# KiCad board untitled.kicad_pcb (continued)
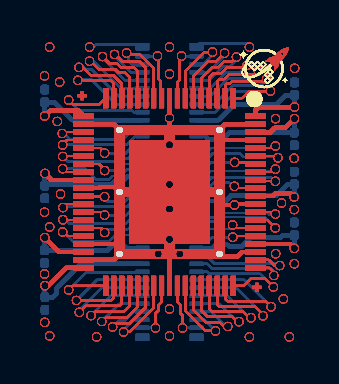
[diagram p0: board, top side]
## Routing (per net, layer and track width the routed paths; a pad name or vN(x,y) marks a point on that pad's centre or on a via; arc(x,y) is an arc through that point) (continued)
  vias: v1(11.56,6.12) v1(11.56,6.12) v1(11.56,6.12) v1(11.56,6.12) v1(11.56,6.12) v1(11.56,6.12) v1(11.56,6.12) v1(11.56,6.12) v1(11.56,6.12) v1(11.56,6.12) v1(11.56,6.12) v1(11.56,6.12) v1(11.56,6.12) v1(11.56,6.12) v1(11.56,6.12) v1(11.56,6.12) v1(11.56,6.12) v1(11.56,6.12) v1(11.56,6.12) v1(11.56,6.12) v1(11.56,6.12) v1(11.56,6.12) v1(11.56,6.12) v1(11.56,6.12) v1(11.56,6.12) v1(11.56,6.12) v1(11.56,6.12) v1(11.56,6.12) v1(11.56,6.12) v1(11.56,6.12) v1(11.56,6.12) v1(11.56,6.12) v1(11.56,6.12) v1(11.56,6.12) v1(11.56,6.12) v1(11.56,6.12) v1(11.56,6.12) v1(11.56,6.12) v1(11.56,6.12) v1(11.56,6.12) v1(11.56,6.12) v1(11.56,6.12)
/PIN 55: length 225
  Top w0.1: 11.67,6.73 11.5,6.73 ; 11.67,6.73 11.5,6.73 ; 11.67,6.73 11.5,6.73 ; 11.67,6.73 11.5,6.73 ; 11.67,6.73 11.5,6.73 ; 11.67,6.73 11.5,6.73 ; 11.67,6.73 11.5,6.73 ; 11.67,6.73 11.5,6.73 ; 11.67,6.73 11.5,6.73 ; 11.67,6.73 11.5,6.73 ; 11.67,6.73 11.5,6.73 ; 11.67,6.73 11.5,6.73 ; 11.67,6.73 11.5,6.73 ; 11.67,6.73 11.5,6.73 ; 11.67,6.73 11.5,6.73 ; 11.67,6.73 11.5,6.73 ; 11.67,6.73 11.5,6.73 ; 11.67,6.73 11.5,6.73 ; 11.67,6.73 11.5,6.73 ; 11.67,6.73 11.5,6.73 ; 11.67,6.73 11.5,6.73 ; 11.67,6.73 11.5,6.73 ; 11.67,6.73 11.5,6.73 ; 11.67,6.73 11.5,6.73 ; 11.67,6.73 11.5,6.73 ; 11.67,6.73 11.5,6.73 ; 11.67,6.73 11.5,6.73 ; 11.67,6.73 11.5,6.73 ; 11.67,6.73 11.5,6.73 ; 11.67,6.73 11.5,6.73 ; 11.67,6.73 11.5,6.73 ; 11.67,6.73 11.5,6.73 ; 11.67,6.73 11.5,6.73 ; 11.67,6.73 11.5,6.73 ; 11.67,6.73 11.5,6.73 ; 11.67,6.73 11.5,6.73 ; 11.67,6.73 11.5,6.73 ; 11.67,6.73 11.5,6.73 ; 11.67,6.73 11.5,6.73 ; 11.67,6.73 11.5,6.73 ; 11.67,6.73 11.5,6.73 ; 11.67,6.73 11.5,6.73 ; 11.5,6.73 11.35,6.58 ; 11.5,6.73 11.35,6.58 ; 11.5,6.73 11.35,6.58 ; 11.5,6.73 11.35,6.58 ; 11.5,6.73 11.35,6.58 ; 11.5,6.73 11.35,6.58 ; 11.5,6.73 11.35,6.58 ; 11.5,6.73 11.35,6.58 ; 11.5,6.73 11.35,6.58 ; 11.5,6.73 11.35,6.58 ; 11.5,6.73 11.35,6.58 ; 11.5,6.73 11.35,6.58 ; 11.5,6.73 11.35,6.58 ; 11.5,6.73 11.35,6.58 ; 11.5,6.73 11.35,6.58 ; 11.5,6.73 11.35,6.58 ; 11.5,6.73 11.35,6.58 ; 11.5,6.73 11.35,6.58 ; 11.5,6.73 11.35,6.58 ; 11.5,6.73 11.35,6.58 ; 11.5,6.73 11.35,6.58 ; 11.5,6.73 11.35,6.58 ; 11.5,6.73 11.35,6.58 ; 11.5,6.73 11.35,6.58 ; 11.5,6.73 11.35,6.58 ; 11.5,6.73 11.35,6.58 ; 11.5,6.73 11.35,6.58 ; 11.5,6.73 11.35,6.58 ; 11.5,6.73 11.35,6.58 ; 11.5,6.73 11.35,6.58 ; 11.5,6.73 11.35,6.58 ; 11.5,6.73 11.35,6.58 ; 11.5,6.73 11.35,6.58 ; 11.5,6.73 11.35,6.58 ; 11.5,6.73 11.35,6.58 ; 11.5,6.73 11.35,6.58 ; 11.5,6.73 11.35,6.58 ; 11.5,6.73 11.35,6.58 ; 11.5,6.73 11.35,6.58 ; 11.5,6.73 11.35,6.58 ; 11.5,6.73 11.35,6.58 ; 11.5,6.73 11.35,6.58 ; 11.35,6.58 J158.67 ; 11.35,6.58 J158.67 ; 11.35,6.58 J158.67 ; 11.35,6.58 J158.67 ; 11.35,6.58 J158.67 ; 11.35,6.58 J158.67 ; 11.35,6.58 J158.67 ; 11.35,6.58 J158.67 ; 11.35,6.58 J158.67 ; 11.35,6.58 J158.67 ; 11.35,6.58 J158.67 ; 11.35,6.58 J158.67 ; 11.35,6.58 J158.67 ; 11.35,6.58 J158.67 ; 11.35,6.58 J158.67 ; 11.35,6.58 J158.67 ; 11.35,6.58 J158.67 ; 11.35,6.58 J158.67 ; 11.35,6.58 J158.67 ; 11.35,6.58 J158.67 ; 11.35,6.58 J158.67 ; 11.35,6.58 J158.67 ; 11.35,6.58 J158.67 ; 11.35,6.58 J158.67 ; 11.35,6.58 J158.67 ; 11.35,6.58 J158.67 ; 11.35,6.58 J158.67 ; 11.35,6.58 J158.67 ; 11.35,6.58 J158.67 ; 11.35,6.58 J158.67 ; 11.35,6.58 J158.67 ; 11.35,6.58 J158.67 ; 11.35,6.58 J158.67 ; 11.35,6.58 J158.67 ; 11.35,6.58 J158.67 ; 11.35,6.58 J158.67 ; 11.35,6.58 J158.67 ; 11.35,6.58 J158.67 ; 11.35,6.58 J158.67 ; 11.35,6.58 J158.67 ; 11.35,6.58 J158.67 ; 11.35,6.58 J158.67
  Bottom w0.1: 11.67,6.73 11.5,6.73 ; 11.67,6.73 11.5,6.73 ; 11.67,6.73 11.5,6.73 ; 11.67,6.73 11.5,6.73 ; 11.67,6.73 11.5,6.73 ; 11.67,6.73 11.5,6.73 ; 11.67,6.73 11.5,6.73 ; 11.67,6.73 11.5,6.73 ; 11.67,6.73 11.5,6.73 ; 11.67,6.73 11.5,6.73 ; 11.67,6.73 11.5,6.73 ; 11.67,6.73 11.5,6.73 ; 11.67,6.73 11.5,6.73 ; 11.67,6.73 11.5,6.73 ; 11.67,6.73 11.5,6.73 ; 11.67,6.73 11.5,6.73 ; 11.67,6.73 11.5,6.73 ; 11.67,6.73 11.5,6.73 ; 11.67,6.73 11.5,6.73 ; 11.67,6.73 11.5,6.73 ; 11.67,6.73 11.5,6.73 ; 11.67,6.73 11.5,6.73 ; 11.67,6.73 11.5,6.73 ; 11.67,6.73 11.5,6.73 ; 11.67,6.73 11.5,6.73 ; 11.67,6.73 11.5,6.73 ; 11.67,6.73 11.5,6.73 ; 11.67,6.73 11.5,6.73 ; 11.67,6.73 11.5,6.73 ; 11.67,6.73 11.5,6.73 ; 11.67,6.73 11.5,6.73 ; 11.67,6.73 11.5,6.73 ; 11.67,6.73 11.5,6.73 ; 11.67,6.73 11.5,6.73 ; 11.67,6.73 11.5,6.73 ; 11.67,6.73 11.5,6.73 ; 11.67,6.73 11.5,6.73 ; 11.67,6.73 11.5,6.73 ; 11.67,6.73 11.5,6.73 ; 11.67,6.73 11.5,6.73 ; 11.67,6.73 11.5,6.73 ; 11.67,6.73 11.5,6.73 ; 11.5,6.73 11.4,6.63 ; 11.5,6.73 11.4,6.63 ; 11.5,6.73 11.4,6.63 ; 11.5,6.73 11.4,6.63 ; 11.5,6.73 11.4,6.63 ; 11.5,6.73 11.4,6.63 ; 11.5,6.73 11.4,6.63 ; 11.5,6.73 11.4,6.63 ; 11.5,6.73 11.4,6.63 ; 11.5,6.73 11.4,6.63 ; 11.5,6.73 11.4,6.63 ; 11.5,6.73 11.4,6.63 ; 11.5,6.73 11.4,6.63 ; 11.5,6.73 11.4,6.63 ; 11.5,6.73 11.4,6.63 ; 11.5,6.73 11.4,6.63 ; 11.5,6.73 11.4,6.63 ; 11.5,6.73 11.4,6.63 ; 11.5,6.73 11.4,6.63 ; 11.5,6.73 11.4,6.63 ; 11.5,6.73 11.4,6.63 ; 11.5,6.73 11.4,6.63 ; 11.5,6.73 11.4,6.63 ; 11.5,6.73 11.4,6.63 ; 11.5,6.73 11.4,6.63 ; 11.5,6.73 11.4,6.63 ; 11.5,6.73 11.4,6.63 ; 11.5,6.73 11.4,6.63 ; 11.5,6.73 11.4,6.63 ; 11.5,6.73 11.4,6.63 ; 11.5,6.73 11.4,6.63 ; 11.5,6.73 11.4,6.63 ; 11.5,6.73 11.4,6.63 ; 11.5,6.73 11.4,6.63 ; 11.5,6.73 11.4,6.63 ; 11.5,6.73 11.4,6.63 ; 11.5,6.73 11.4,6.63 ; 11.5,6.73 11.4,6.63 ; 11.5,6.73 11.4,6.63 ; 11.5,6.73 11.4,6.63 ; 11.5,6.73 11.4,6.63 ; 11.5,6.73 11.4,6.63 ; 11.4,6.63 8.32,6.63 ; 11.4,6.63 8.32,6.63 ; 11.4,6.63 8.32,6.63 ; 11.4,6.63 8.32,6.63 ; 11.4,6.63 8.32,6.63 ; 11.4,6.63 8.32,6.63 ; 11.4,6.63 8.32,6.63 ; 11.4,6.63 8.32,6.63 ; 11.4,6.63 8.32,6.63 ; 11.4,6.63 8.32,6.63 ; 11.4,6.63 8.32,6.63 ; 11.4,6.63 8.32,6.63 ; 11.4,6.63 8.32,6.63 ; 11.4,6.63 8.32,6.63 ; 11.4,6.63 8.32,6.63 ; 11.4,6.63 8.32,6.63 ; 11.4,6.63 8.32,6.63 ; 11.4,6.63 8.32,6.63 ; 11.4,6.63 8.32,6.63 ; 11.4,6.63 8.32,6.63 ; 11.4,6.63 8.32,6.63 ; 11.4,6.63 8.32,6.63 ; 11.4,6.63 8.32,6.63 ; 11.4,6.63 8.32,6.63 ; 11.4,6.63 8.32,6.63 ; 11.4,6.63 8.32,6.63 ; 11.4,6.63 8.32,6.63 ; 11.4,6.63 8.32,6.63 ; 11.4,6.63 8.32,6.63 ; 11.4,6.63 8.32,6.63 ; 11.4,6.63 8.32,6.63 ; 11.4,6.63 8.32,6.63 ; 11.4,6.63 8.32,6.63 ; 11.4,6.63 8.32,6.63 ; 11.4,6.63 8.32,6.63 ; 11.4,6.63 8.32,6.63 ; 11.4,6.63 8.32,6.63 ; 11.4,6.63 8.32,6.63 ; 11.4,6.63 8.32,6.63 ; 11.4,6.63 8.32,6.63 ; 11.4,6.63 8.32,6.63 ; 11.4,6.63 8.32,6.63 ; 8.07,6.38 J173.16 ; 8.07,6.38 8.32,6.63 ; 8.07,6.38 8.32,6.63 ; 8.07,6.38 J173.16 ; 8.07,6.38 J173.16 ; 8.07,6.38 J173.16 ; 8.07,6.38 8.32,6.63 ; 8.07,6.38 J173.16 ; 8.07,6.38 8.32,6.63 ; 8.07,6.38 J173.16 ; 8.07,6.38 J173.16 ; 8.07,6.38 8.32,6.63 ; 8.07,6.38 8.32,6.63 ; 8.07,6.38 8.32,6.63 ; 8.07,6.38 8.32,6.63 ; 8.07,6.38 J173.16 ; 8.07,6.38 8.32,6.63 ; 8.07,6.38 J173.16 ; 8.07,6.38 J173.16 ; 8.07,6.38 8.32,6.63 ; 8.07,6.38 8.32,6.63 ; 8.07,6.38 J173.16 ; 8.07,6.38 8.32,6.63 ; 8.07,6.38 J173.16 ; 8.07,6.38 8.32,6.63 ; 8.07,6.38 J173.16 ; 8.07,6.38 J173.16 ; 8.07,6.38 J173.16 ; 8.07,6.38 8.32,6.63 ; 8.07,6.38 J173.16 ; 8.07,6.38 J173.16 ; 8.07,6.38 8.32,6.63 ; 8.07,6.38 J173.16 ; 8.07,6.38 8.32,6.63 ; 8.07,6.38 J173.16 ; 8.07,6.38 8.32,6.63 ; 8.07,6.38 J173.16 ; 8.07,6.38 J173.16 ; 8.07,6.38 8.32,6.63 ; 8.07,6.38 J173.16 ; 8.07,6.38 J173.16 ; 8.07,6.38 J173.16 ; 8.07,6.38 8.32,6.63 ; 8.07,6.38 J173.16 ; 8.07,6.38 8.32,6.63 ; 8.07,6.38 8.32,6.63 ; 8.07,6.38 8.32,6.63 ; 8.07,6.38 8.32,6.63 ; 8.07,6.38 J173.16 ; 8.07,6.38 J173.16 ; 8.07,6.38 8.32,6.63 ; 8.07,6.38 8.32,6.63 ; 8.07,6.38 J173.16 ; 8.07,6.38 8.32,6.63 ; 8.07,6.38 J173.16 ; 8.07,6.38 J173.16 ; 8.07,6.38 J173.16 ; 8.07,6.38 8.32,6.63 ; 8.07,6.38 J173.16 ; 8.07,6.38 J173.16 ; 8.07,6.38 8.32,6.63 ; 8.07,6.38 8.32,6.63 ; 8.07,6.38 8.32,6.63 ; 8.07,6.38 J173.16 ; 8.07,6.38 J173.16 ; 8.07,6.38 8.32,6.63 ; 8.07,6.38 8.32,6.63 ; 8.07,6.38 J173.16 ; 8.07,6.38 J173.16 ; 8.07,6.38 8.32,6.63 ; 8.07,6.38 8.32,6.63 ; 8.07,6.38 J173.16 ; 8.07,6.38 J173.16 ; 8.07,6.38 8.32,6.63 ; 8.07,6.38 J173.16 ; 8.07,6.38 8.32,6.63 ; 8.07,6.38 J173.16 ; 8.07,6.38 8.32,6.63 ; 8.07,6.38 8.32,6.63 ; 8.07,6.38 8.32,6.63 ; 8.07,6.38 8.32,6.63 ; 8.07,6.38 J173.16 ; 8.07,6.38 8.32,6.63 ; 8.07,6.38 8.32,6.63
  vias: v1(11.56,6.73) v1(11.56,6.73) v1(11.56,6.73) v1(11.56,6.73) v1(11.56,6.73) v1(11.56,6.73) v1(11.56,6.73) v1(11.56,6.73) v1(11.56,6.73) v1(11.56,6.73) v1(11.56,6.73) v1(11.56,6.73) v1(11.56,6.73) v1(11.56,6.73) v1(11.56,6.73) v1(11.56,6.73) v1(11.56,6.73) v1(11.56,6.73) v1(11.56,6.73) v1(11.56,6.73) v1(11.56,6.73) v1(11.56,6.73) v1(11.56,6.73) v1(11.56,6.73) v1(11.56,6.73) v1(11.56,6.73) v1(11.56,6.73) v1(11.56,6.73) v1(11.56,6.73) v1(11.56,6.73) v1(11.56,6.73) v1(11.56,6.73) v1(11.56,6.73) v1(11.56,6.73) v1(11.56,6.73) v1(11.56,6.73) v1(11.56,6.73) v1(11.56,6.73) v1(11.56,6.73) v1(11.56,6.73) v1(11.56,6.73) v1(11.56,6.73)
/PIN 56: length 130.6
  Top w0.1: 10.5,7.04 J158.68 ; 10.5,7.04 9.57,7.04 ; 10.5,7.04 9.57,7.04 ; 10.5,7.04 9.57,7.04 ; 10.5,7.04 9.57,7.04 ; 10.5,7.04 J158.68 ; 10.5,7.04 J158.68 ; 10.5,7.04 9.57,7.04 ; 10.5,7.04 J158.68 ; 10.5,7.04 J158.68 ; 10.5,7.04 9.57,7.04 ; 10.5,7.04 9.57,7.04 ; 10.5,7.04 9.57,7.04 ; 10.5,7.04 J158.68 ; 10.5,7.04 J158.68 ; 10.5,7.04 9.57,7.04 ; 10.5,7.04 J158.68 ; 10.5,7.04 J158.68 ; 10.5,7.04 9.57,7.04 ; 10.5,7.04 J158.68 ; 10.5,7.04 J158.68 ; 10.5,7.04 9.57,7.04 ; 10.5,7.04 J158.68 ; 10.5,7.04 9.57,7.04 ; 10.5,7.04 J158.68 ; 10.5,7.04 9.57,7.04 ; 10.5,7.04 J158.68 ; 10.5,7.04 9.57,7.04 ; 10.5,7.04 9.57,7.04 ; 10.5,7.04 9.57,7.04 ; 10.5,7.04 J158.68 ; 10.5,7.04 9.57,7.04 ; 10.5,7.04 J158.68 ; 10.5,7.04 9.57,7.04 ; 10.5,7.04 9.57,7.04 ; 10.5,7.04 J158.68 ; 10.5,7.04 J158.68 ; 10.5,7.04 9.57,7.04 ; 10.5,7.04 9.57,7.04 ; 10.5,7.04 9.57,7.04 ; 10.5,7.04 9.57,7.04 ; 10.5,7.04 9.57,7.04 ; 10.5,7.04 J158.68 ; 10.5,7.04 9.57,7.04 ; 10.5,7.04 J158.68 ; 10.5,7.04 J158.68 ; 10.5,7.04 J158.68 ; 10.5,7.04 9.57,7.04 ; 10.5,7.04 J158.68 ; 10.5,7.04 9.57,7.04 ; 10.5,7.04 9.57,7.04 ; 10.5,7.04 9.57,7.04 ; 10.5,7.04 J158.68 ; 10.5,7.04 9.57,7.04 ; 10.5,7.04 9.57,7.04 ; 10.5,7.04 9.57,7.04 ; 10.5,7.04 9.57,7.04 ; 10.5,7.04 J158.68 ; 10.5,7.04 J158.68 ; 10.5,7.04 9.57,7.04 ; 10.5,7.04 9.57,7.04 ; 10.5,7.04 J158.68 ; 10.5,7.04 J158.68 ; 10.5,7.04 J158.68 ; 10.5,7.04 J158.68 ; 10.5,7.04 9.57,7.04 ; 10.5,7.04 J158.68 ; 10.5,7.04 9.57,7.04 ; 10.5,7.04 J158.68 ; 10.5,7.04 J158.68 ; 10.5,7.04 J158.68 ; 10.5,7.04 J158.68 ; 10.5,7.04 9.57,7.04 ; 10.5,7.04 9.57,7.04 ; 10.5,7.04 J158.68 ; 10.5,7.04 9.57,7.04 ; 10.5,7.04 J158.68 ; 10.5,7.04 J158.68 ; 10.5,7.04 J158.68 ; 10.5,7.04 9.57,7.04 ; 10.5,7.04 J158.68 ; 10.5,7.04 J158.68 ; 10.5,7.04 J158.68 ; 10.5,7.04 9.57,7.04 ; v1(9.52,7.06) 9.54,7.08 ; v1(9.52,7.06) 9.54,7.08 ; v1(9.52,7.06) 9.54,7.08 ; v1(9.52,7.06) 9.54,7.08 ; v1(9.52,7.06) 9.54,7.08 ; v1(9.52,7.06) 9.54,7.08 ; v1(9.52,7.06) 9.54,7.08 ; v1(9.52,7.06) 9.54,7.08 ; v1(9.52,7.06) 9.54,7.08 ; v1(9.52,7.06) 9.54,7.08 ; v1(9.52,7.06) 9.54,7.08 ; v1(9.52,7.06) 9.54,7.08 ; v1(9.52,7.06) 9.54,7.08 ; v1(9.52,7.06) 9.54,7.08 ; v1(9.52,7.06) 9.54,7.08 ; v1(9.52,7.06) 9.54,7.08 ; v1(9.52,7.06) 9.54,7.08 ; v1(9.52,7.06) 9.54,7.08 ; v1(9.52,7.06) 9.54,7.08 ; v1(9.52,7.06) 9.54,7.08 ; v1(9.52,7.06) 9.54,7.08 ; v1(9.52,7.06) 9.54,7.08 ; v1(9.52,7.06) 9.54,7.08 ; v1(9.52,7.06) 9.54,7.08 ; v1(9.52,7.06) 9.54,7.08 ; v1(9.52,7.06) 9.54,7.08 ; v1(9.52,7.06) 9.54,7.08 ; v1(9.52,7.06) 9.54,7.08 ; v1(9.52,7.06) 9.54,7.08 ; v1(9.52,7.06) 9.54,7.08 ; v1(9.52,7.06) 9.54,7.08 ; v1(9.52,7.06) 9.54,7.08 ; v1(9.52,7.06) 9.54,7.08 ; v1(9.52,7.06) 9.54,7.08 ; v1(9.52,7.06) 9.54,7.08 ; v1(9.52,7.06) 9.54,7.08 ; v1(9.52,7.06) 9.54,7.08 ; v1(9.52,7.06) 9.54,7.08 ; v1(9.52,7.06) 9.54,7.08 ; v1(9.52,7.06) 9.54,7.08 ; v1(9.52,7.06) 9.54,7.08 ; v1(9.52,7.06) 9.54,7.08 ; 9.54,7.08 9.57,7.04 ; 9.54,7.08 9.57,7.04 ; 9.54,7.08 9.57,7.04 ; 9.54,7.08 9.57,7.04 ; 9.54,7.08 9.57,7.04 ; 9.54,7.08 9.57,7.04 ; 9.54,7.08 9.57,7.04 ; 9.54,7.08 9.57,7.04 ; 9.54,7.08 9.57,7.04 ; 9.54,7.08 9.57,7.04 ; 9.54,7.08 9.57,7.04 ; 9.54,7.08 9.57,7.04 ; 9.54,7.08 9.57,7.04 ; 9.54,7.08 9.57,7.04 ; 9.54,7.08 9.57,7.04 ; 9.54,7.08 9.57,7.04 ; 9.54,7.08 9.57,7.04 ; 9.54,7.08 9.57,7.04 ; 9.54,7.08 9.57,7.04 ; 9.54,7.08 9.57,7.04 ; 9.54,7.08 9.57,7.04 ; 9.54,7.08 9.57,7.04 ; 9.54,7.08 9.57,7.04 ; 9.54,7.08 9.57,7.04 ; 9.54,7.08 9.57,7.04 ; 9.54,7.08 9.57,7.04 ; 9.54,7.08 9.57,7.04 ; 9.54,7.08 9.57,7.04 ; 9.54,7.08 9.57,7.04 ; 9.54,7.08 9.57,7.04 ; 9.54,7.08 9.57,7.04 ; 9.54,7.08 9.57,7.04 ; 9.54,7.08 9.57,7.04 ; 9.54,7.08 9.57,7.04 ; 9.54,7.08 9.57,7.04 ; 9.54,7.08 9.57,7.04 ; 9.54,7.08 9.57,7.04 ; 9.54,7.08 9.57,7.04 ; 9.54,7.08 9.57,7.04 ; 9.54,7.08 9.57,7.04 ; 9.54,7.08 9.57,7.04 ; 9.54,7.08 9.57,7.04
  Bottom w0.1: v1(9.52,7.06) 8.35,7.06 ; v1(9.52,7.06) 8.35,7.06 ; v1(9.52,7.06) 8.35,7.06 ; v1(9.52,7.06) 8.35,7.06 ; v1(9.52,7.06) 8.35,7.06 ; v1(9.52,7.06) 8.35,7.06 ; v1(9.52,7.06) 8.35,7.06 ; v1(9.52,7.06) 8.35,7.06 ; v1(9.52,7.06) 8.35,7.06 ; v1(9.52,7.06) 8.35,7.06 ; v1(9.52,7.06) 8.35,7.06 ; v1(9.52,7.06) 8.35,7.06 ; v1(9.52,7.06) 8.35,7.06 ; v1(9.52,7.06) 8.35,7.06 ; v1(9.52,7.06) 8.35,7.06 ; v1(9.52,7.06) 8.35,7.06 ; v1(9.52,7.06) 8.35,7.06 ; v1(9.52,7.06) 8.35,7.06 ; v1(9.52,7.06) 8.35,7.06 ; v1(9.52,7.06) 8.35,7.06 ; v1(9.52,7.06) 8.35,7.06 ; v1(9.52,7.06) 8.35,7.06 ; v1(9.52,7.06) 8.35,7.06 ; v1(9.52,7.06) 8.35,7.06 ; v1(9.52,7.06) 8.35,7.06 ; v1(9.52,7.06) 8.35,7.06 ; v1(9.52,7.06) 8.35,7.06 ; v1(9.52,7.06) 8.35,7.06 ; v1(9.52,7.06) 8.35,7.06 ; v1(9.52,7.06) 8.35,7.06 ; v1(9.52,7.06) 8.35,7.06 ; v1(9.52,7.06) 8.35,7.06 ; v1(9.52,7.06) 8.35,7.06 ; v1(9.52,7.06) 8.35,7.06 ; v1(9.52,7.06) 8.35,7.06 ; v1(9.52,7.06) 8.35,7.06 ; v1(9.52,7.06) 8.35,7.06 ; v1(9.52,7.06) 8.35,7.06 ; v1(9.52,7.06) 8.35,7.06 ; v1(9.52,7.06) 8.35,7.06 ; v1(9.52,7.06) 8.35,7.06 ; v1(9.52,7.06) 8.35,7.06 ; 8.35,7.06 8.07,6.78 ; 8.35,7.06 8.07,6.78 ; 8.35,7.06 8.07,6.78 ; 8.35,7.06 8.07,6.78 ; 8.35,7.06 8.07,6.78 ; 8.35,7.06 8.07,6.78 ; 8.35,7.06 8.07,6.78 ; 8.35,7.06 8.07,6.78 ; 8.35,7.06 8.07,6.78 ; 8.35,7.06 8.07,6.78 ; 8.35,7.06 8.07,6.78 ; 8.35,7.06 8.07,6.78 ; 8.35,7.06 8.07,6.78 ; 8.35,7.06 8.07,6.78 ; 8.35,7.06 8.07,6.78 ; 8.35,7.06 8.07,6.78 ; 8.35,7.06 8.07,6.78 ; 8.35,7.06 8.07,6.78 ; 8.35,7.06 8.07,6.78 ; 8.35,7.06 8.07,6.78 ; 8.35,7.06 8.07,6.78 ; 8.35,7.06 8.07,6.78 ; 8.35,7.06 8.07,6.78 ; 8.35,7.06 8.07,6.78 ; 8.35,7.06 8.07,6.78 ; 8.35,7.06 8.07,6.78 ; 8.35,7.06 8.07,6.78 ; 8.35,7.06 8.07,6.78 ; 8.35,7.06 8.07,6.78 ; 8.35,7.06 8.07,6.78 ; 8.35,7.06 8.07,6.78 ; 8.35,7.06 8.07,6.78 ; 8.35,7.06 8.07,6.78 ; 8.35,7.06 8.07,6.78 ; 8.35,7.06 8.07,6.78 ; 8.35,7.06 8.07,6.78 ; 8.35,7.06 8.07,6.78 ; 8.35,7.06 8.07,6.78 ; 8.35,7.06 8.07,6.78 ; 8.35,7.06 8.07,6.78 ; 8.35,7.06 8.07,6.78 ; 8.35,7.06 8.07,6.78 ; 8.07,6.78 J173.15 ; 8.07,6.78 J173.15 ; 8.07,6.78 J173.15 ; 8.07,6.78 J173.15 ; 8.07,6.78 J173.15 ; 8.07,6.78 J173.15 ; 8.07,6.78 J173.15 ; 8.07,6.78 J173.15 ; 8.07,6.78 J173.15 ; 8.07,6.78 J173.15 ; 8.07,6.78 J173.15 ; 8.07,6.78 J173.15 ; 8.07,6.78 J173.15 ; 8.07,6.78 J173.15 ; 8.07,6.78 J173.15 ; 8.07,6.78 J173.15 ; 8.07,6.78 J173.15 ; 8.07,6.78 J173.15 ; 8.07,6.78 J173.15 ; 8.07,6.78 J173.15 ; 8.07,6.78 J173.15 ; 8.07,6.78 J173.15 ; 8.07,6.78 J173.15 ; 8.07,6.78 J173.15 ; 8.07,6.78 J173.15 ; 8.07,6.78 J173.15 ; 8.07,6.78 J173.15 ; 8.07,6.78 J173.15 ; 8.07,6.78 J173.15 ; 8.07,6.78 J173.15 ; 8.07,6.78 J173.15 ; 8.07,6.78 J173.15 ; 8.07,6.78 J173.15 ; 8.07,6.78 J173.15 ; 8.07,6.78 J173.15 ; 8.07,6.78 J173.15 ; 8.07,6.78 J173.15 ; 8.07,6.78 J173.15 ; 8.07,6.78 J173.15 ; 8.07,6.78 J173.15 ; 8.07,6.78 J173.15 ; 8.07,6.78 J173.15
/PIN 57: length 224.7
  Top w0.1: 11.65,7.33 11.63,7.35 ; 11.65,7.33 11.63,7.35 ; 11.65,7.33 11.63,7.35 ; 11.65,7.33 11.63,7.35 ; 11.65,7.33 11.63,7.35 ; 11.65,7.33 11.63,7.35 ; 11.65,7.33 11.63,7.35 ; 11.65,7.33 11.63,7.35 ; 11.65,7.33 11.63,7.35 ; 11.65,7.33 11.63,7.35 ; 11.65,7.33 11.63,7.35 ; 11.65,7.33 11.63,7.35 ; 11.65,7.33 11.63,7.35 ; 11.65,7.33 11.63,7.35 ; 11.65,7.33 11.63,7.35 ; 11.65,7.33 11.63,7.35 ; 11.65,7.33 11.63,7.35 ; 11.65,7.33 11.63,7.35 ; 11.65,7.33 11.63,7.35 ; 11.65,7.33 11.63,7.35 ; 11.65,7.33 11.63,7.35 ; 11.65,7.33 11.63,7.35 ; 11.65,7.33 11.63,7.35 ; 11.65,7.33 11.63,7.35 ; 11.65,7.33 11.63,7.35 ; 11.65,7.33 11.63,7.35 ; 11.65,7.33 11.63,7.35 ; 11.65,7.33 11.63,7.35 ; 11.65,7.33 11.63,7.35 ; 11.65,7.33 11.63,7.35 ; 11.65,7.33 11.63,7.35 ; 11.65,7.33 11.63,7.35 ; 11.65,7.33 11.63,7.35 ; 11.65,7.33 11.63,7.35 ; 11.65,7.33 11.63,7.35 ; 11.65,7.33 11.63,7.35 ; 11.65,7.33 11.63,7.35 ; 11.65,7.33 11.63,7.35 ; 11.65,7.33 11.63,7.35 ; 11.65,7.33 11.63,7.35 ; 11.65,7.33 11.63,7.35 ; 11.65,7.33 11.63,7.35 ; 11.63,7.35 11.56,7.35 ; 11.63,7.35 11.56,7.35 ; 11.63,7.35 11.56,7.35 ; 11.63,7.35 11.56,7.35 ; 11.63,7.35 11.56,7.35 ; 11.63,7.35 11.56,7.35 ; 11.63,7.35 11.56,7.35 ; 11.63,7.35 11.56,7.35 ; 11.63,7.35 11.56,7.35 ; 11.63,7.35 11.56,7.35 ; 11.63,7.35 11.56,7.35 ; 11.63,7.35 11.56,7.35 ; 11.63,7.35 11.56,7.35 ; 11.63,7.35 11.56,7.35 ; 11.63,7.35 11.56,7.35 ; 11.63,7.35 11.56,7.35 ; 11.63,7.35 11.56,7.35 ; 11.63,7.35 11.56,7.35 ; 11.63,7.35 11.56,7.35 ; 11.63,7.35 11.56,7.35 ; 11.63,7.35 11.56,7.35 ; 11.63,7.35 11.56,7.35 ; 11.63,7.35 11.56,7.35 ; 11.63,7.35 11.56,7.35 ; 11.63,7.35 11.56,7.35 ; 11.63,7.35 11.56,7.35 ; 11.63,7.35 11.56,7.35 ; 11.63,7.35 11.56,7.35 ; 11.63,7.35 11.56,7.35 ; 11.63,7.35 11.56,7.35 ; 11.63,7.35 11.56,7.35 ; 11.63,7.35 11.56,7.35 ; 11.63,7.35 11.56,7.35 ; 11.63,7.35 11.56,7.35 ; 11.63,7.35 11.56,7.35 ; 11.63,7.35 11.56,7.35 ; 11.63,7.35 11.56,7.35 ; 11.63,7.35 11.56,7.35 ; 11.63,7.35 11.56,7.35 ; 11.63,7.35 11.56,7.35 ; 11.63,7.35 11.56,7.35 ; 11.63,7.35 11.56,7.35 ; 11.56,7.35 11.53,7.38 ; 11.56,7.35 11.53,7.38 ; 11.56,7.35 11.53,7.38 ; 11.56,7.35 11.53,7.38 ; 11.56,7.35 11.53,7.38 ; 11.56,7.35 11.53,7.38 ; 11.56,7.35 11.53,7.38 ; 11.56,7.35 11.53,7.38 ; 11.56,7.35 11.53,7.38 ; 11.56,7.35 11.53,7.38 ; 11.56,7.35 11.53,7.38 ; 11.56,7.35 11.53,7.38 ; 11.56,7.35 11.53,7.38 ; 11.56,7.35 11.53,7.38 ; 11.56,7.35 11.53,7.38 ; 11.56,7.35 11.53,7.38 ; 11.56,7.35 11.53,7.38 ; 11.56,7.35 11.53,7.38 ; 11.56,7.35 11.53,7.38 ; 11.56,7.35 11.53,7.38 ; 11.56,7.35 11.53,7.38 ; 11.56,7.35 11.53,7.38 ; 11.56,7.35 11.53,7.38 ; 11.56,7.35 11.53,7.38 ; 11.56,7.35 11.53,7.38 ; 11.56,7.35 11.53,7.38 ; 11.56,7.35 11.53,7.38 ; 11.56,7.35 11.53,7.38 ; 11.56,7.35 11.53,7.38 ; 11.56,7.35 11.53,7.38 ; 11.56,7.35 11.53,7.38 ; 11.56,7.35 11.53,7.38 ; 11.56,7.35 11.53,7.38 ; 11.56,7.35 11.53,7.38 ; 11.56,7.35 11.53,7.38 ; 11.56,7.35 11.53,7.38 ; 11.56,7.35 11.53,7.38 ; 11.56,7.35 11.53,7.38 ; 11.56,7.35 11.53,7.38 ; 11.56,7.35 11.53,7.38 ; 11.56,7.35 11.53,7.38 ; 11.56,7.35 11.53,7.38 ; 11.53,7.38 J158.69 ; 11.53,7.38 J158.69 ; 11.53,7.38 J158.69 ; 11.53,7.38 J158.69 ; 11.53,7.38 J158.69 ; 11.53,7.38 J158.69 ; 11.53,7.38 J158.69 ; 11.53,7.38 J158.69 ; 11.53,7.38 J158.69 ; 11.53,7.38 J158.69 ; 11.53,7.38 J158.69 ; 11.53,7.38 J158.69 ; 11.53,7.38 J158.69 ; 11.53,7.38 J158.69 ; 11.53,7.38 J158.69 ; 11.53,7.38 J158.69 ; 11.53,7.38 J158.69 ; 11.53,7.38 J158.69 ; 11.53,7.38 J158.69 ; 11.53,7.38 J158.69 ; 11.53,7.38 J158.69 ; 11.53,7.38 J158.69 ; 11.53,7.38 J158.69 ; 11.53,7.38 J158.69 ; 11.53,7.38 J158.69 ; 11.53,7.38 J158.69 ; 11.53,7.38 J158.69 ; 11.53,7.38 J158.69 ; 11.53,7.38 J158.69 ; 11.53,7.38 J158.69 ; 11.53,7.38 J158.69 ; 11.53,7.38 J158.69 ; 11.53,7.38 J158.69 ; 11.53,7.38 J158.69 ; 11.53,7.38 J158.69 ; 11.53,7.38 J158.69 ; 11.53,7.38 J158.69 ; 11.53,7.38 J158.69 ; 11.53,7.38 J158.69 ; 11.53,7.38 J158.69 ; 11.53,7.38 J158.69 ; 11.53,7.38 J158.69
  Bottom w0.1: 9.96,7.33 9.79,7.5 ; 9.96,7.33 11.54,7.33 ; 9.96,7.33 9.79,7.5 ; 9.96,7.33 9.79,7.5 ; 9.96,7.33 9.79,7.5 ; 9.96,7.33 9.79,7.5 ; 9.96,7.33 9.79,7.5 ; 9.96,7.33 11.54,7.33 ; 9.96,7.33 11.54,7.33 ; 9.96,7.33 9.79,7.5 ; 9.96,7.33 9.79,7.5 ; 9.96,7.33 9.79,7.5 ; 9.96,7.33 9.79,7.5 ; 9.96,7.33 11.54,7.33 ; 9.96,7.33 11.54,7.33 ; 9.96,7.33 9.79,7.5 ; 9.96,7.33 11.54,7.33 ; 9.96,7.33 11.54,7.33 ; 9.96,7.33 11.54,7.33 ; 9.96,7.33 11.54,7.33 ; 9.96,7.33 9.79,7.5 ; 9.96,7.33 9.79,7.5 ; 9.96,7.33 11.54,7.33 ; 9.96,7.33 11.54,7.33 ; 9.96,7.33 9.79,7.5 ; 9.96,7.33 11.54,7.33 ; 9.96,7.33 9.79,7.5 ; 9.96,7.33 11.54,7.33 ; 9.96,7.33 11.54,7.33 ; 9.96,7.33 9.79,7.5 ; 9.96,7.33 9.79,7.5 ; 9.96,7.33 9.79,7.5 ; 9.96,7.33 9.79,7.5 ; 9.96,7.33 11.54,7.33 ; 9.96,7.33 11.54,7.33 ; 9.96,7.33 11.54,7.33 ; 9.96,7.33 9.79,7.5 ; 9.96,7.33 11.54,7.33 ; 9.96,7.33 9.79,7.5 ; 9.96,7.33 9.79,7.5 ; 9.96,7.33 9.79,7.5 ; 9.96,7.33 11.54,7.33 ; 9.96,7.33 11.54,7.33 ; 9.96,7.33 9.79,7.5 ; 9.96,7.33 11.54,7.33 ; 9.96,7.33 9.79,7.5 ; 9.96,7.33 9.79,7.5 ; 9.96,7.33 11.54,7.33 ; 9.96,7.33 11.54,7.33 ; 9.96,7.33 11.54,7.33 ; 9.96,7.33 9.79,7.5 ; 9.96,7.33 9.79,7.5 ; 9.96,7.33 11.54,7.33 ; 9.96,7.33 11.54,7.33 ; 9.96,7.33 11.54,7.33 ; 9.96,7.33 11.54,7.33 ; 9.96,7.33 11.54,7.33 ; 9.96,7.33 11.54,7.33 ; 9.96,7.33 11.54,7.33 ; 9.96,7.33 9.79,7.5 ; 9.96,7.33 11.54,7.33 ; 9.96,7.33 9.79,7.5 ; 9.96,7.33 9.79,7.5 ; 9.96,7.33 11.54,7.33 ; 9.96,7.33 11.54,7.33 ; 9.96,7.33 11.54,7.33 ; 9.96,7.33 9.79,7.5 ; 9.96,7.33 11.54,7.33 ; 9.96,7.33 11.54,7.33 ; 9.96,7.33 11.54,7.33 ; 9.96,7.33 9.79,7.5 ; 9.96,7.33 9.79,7.5 ; 9.96,7.33 9.79,7.5 ; 9.96,7.33 9.79,7.5 ; 9.96,7.33 11.54,7.33 ; 9.96,7.33 9.79,7.5 ; 9.96,7.33 9.79,7.5 ; 9.96,7.33 9.79,7.5 ; 9.96,7.33 9.79,7.5 ; 9.96,7.33 11.54,7.33 ; 9.96,7.33 11.54,7.33 ; 9.96,7.33 9.79,7.5 ; 9.96,7.33 9.79,7.5 ; 9.96,7.33 11.54,7.33 ; 9.79,7.5 8.42,7.5 ; 9.79,7.5 8.42,7.5 ; 9.79,7.5 8.42,7.5 ; 9.79,7.5 8.42,7.5 ; 9.79,7.5 8.42,7.5 ; 9.79,7.5 8.42,7.5 ; 9.79,7.5 8.42,7.5 ; 9.79,7.5 8.42,7.5 ; 9.79,7.5 8.42,7.5 ; 9.79,7.5 8.42,7.5 ; 9.79,7.5 8.42,7.5 ; 9.79,7.5 8.42,7.5 ; 9.79,7.5 8.42,7.5 ; 9.79,7.5 8.42,7.5 ; 9.79,7.5 8.42,7.5 ; 9.79,7.5 8.42,7.5 ; 9.79,7.5 8.42,7.5 ; 9.79,7.5 8.42,7.5 ; 9.79,7.5 8.42,7.5 ; 9.79,7.5 8.42,7.5 ; 9.79,7.5 8.42,7.5 ; 9.79,7.5 8.42,7.5 ; 9.79,7.5 8.42,7.5 ; 9.79,7.5 8.42,7.5 ; 9.79,7.5 8.42,7.5 ; 9.79,7.5 8.42,7.5 ; 9.79,7.5 8.42,7.5 ; 9.79,7.5 8.42,7.5 ; 9.79,7.5 8.42,7.5 ; 9.79,7.5 8.42,7.5 ; 9.79,7.5 8.42,7.5 ; 9.79,7.5 8.42,7.5 ; 9.79,7.5 8.42,7.5 ; 9.79,7.5 8.42,7.5 ; 9.79,7.5 8.42,7.5 ; 9.79,7.5 8.42,7.5 ; 9.79,7.5 8.42,7.5 ; 9.79,7.5 8.42,7.5 ; 9.79,7.5 8.42,7.5 ; 9.79,7.5 8.42,7.5 ; 9.79,7.5 8.42,7.5 ; 9.79,7.5 8.42,7.5 ; 11.54,7.33 11.56,7.35 ; 11.54,7.33 11.56,7.35 ; 11.54,7.33 11.56,7.35 ; 11.54,7.33 11.56,7.35 ; 11.54,7.33 11.56,7.35 ; 11.54,7.33 11.56,7.35 ; 11.54,7.33 11.56,7.35 ; 11.54,7.33 11.56,7.35 ; 11.54,7.33 11.56,7.35 ; 11.54,7.33 11.56,7.35 ; 11.54,7.33 11.56,7.35 ; 11.54,7.33 11.56,7.35 ; 11.54,7.33 11.56,7.35 ; 11.54,7.33 11.56,7.35 ; 11.54,7.33 11.56,7.35 ; 11.54,7.33 11.56,7.35 ; 11.54,7.33 11.56,7.35 ; 11.54,7.33 11.56,7.35 ; 11.54,7.33 11.56,7.35 ; 11.54,7.33 11.56,7.35 ; 11.54,7.33 11.56,7.35 ; 11.54,7.33 11.56,7.35 ; 11.54,7.33 11.56,7.35 ; 11.54,7.33 11.56,7.35 ; 11.54,7.33 11.56,7.35 ; 11.54,7.33 11.56,7.35 ; 11.54,7.33 11.56,7.35 ; 11.54,7.33 11.56,7.35 ; 11.54,7.33 11.56,7.35 ; 11.54,7.33 11.56,7.35 ; 11.54,7.33 11.56,7.35 ; 11.54,7.33 11.56,7.35 ; 11.54,7.33 11.56,7.35 ; 11.54,7.33 11.56,7.35 ; 11.54,7.33 11.56,7.35 ; 11.54,7.33 11.56,7.35 ; 11.54,7.33 11.56,7.35 ; 11.54,7.33 11.56,7.35 ; 11.54,7.33 11.56,7.35 ; 11.54,7.33 11.56,7.35 ; 11.54,7.33 11.56,7.35 ; 11.54,7.33 11.56,7.35 ; 8.1,7.18 J173.14 ; 8.1,7.18 J173.14 ; 8.1,7.18 J173.14 ; 8.1,7.18 8.42,7.5 ; 8.1,7.18 8.42,7.5 ; 8.1,7.18 J173.14 ; 8.1,7.18 8.42,7.5 ; 8.1,7.18 J173.14 ; 8.1,7.18 8.42,7.5 ; 8.1,7.18 8.42,7.5 ; 8.1,7.18 8.42,7.5 ; 8.1,7.18 J173.14 ; 8.1,7.18 J173.14 ; 8.1,7.18 J173.14 ; 8.1,7.18 J173.14 ; 8.1,7.18 J173.14 ; 8.1,7.18 8.42,7.5 ; 8.1,7.18 8.42,7.5 ; 8.1,7.18 J173.14 ; 8.1,7.18 J173.14 ; 8.1,7.18 8.42,7.5 ; 8.1,7.18 J173.14 ; 8.1,7.18 8.42,7.5 ; 8.1,7.18 8.42,7.5 ; 8.1,7.18 8.42,7.5 ; 8.1,7.18 8.42,7.5 ; 8.1,7.18 J173.14 ; 8.1,7.18 8.42,7.5 ; 8.1,7.18 J173.14 ; 8.1,7.18 8.42,7.5 ; 8.1,7.18 J173.14 ; 8.1,7.18 J173.14 ; 8.1,7.18 J173.14 ; 8.1,7.18 J173.14 ; 8.1,7.18 J173.14 ; 8.1,7.18 8.42,7.5 ; 8.1,7.18 8.42,7.5 ; 8.1,7.18 J173.14 ; 8.1,7.18 J173.14 ; 8.1,7.18 J173.14 ; 8.1,7.18 J173.14 ; 8.1,7.18 8.42,7.5 ; 8.1,7.18 J173.14 ; 8.1,7.18 8.42,7.5 ; 8.1,7.18 8.42,7.5 ; 8.1,7.18 J173.14 ; 8.1,7.18 8.42,7.5 ; 8.1,7.18 J173.14 ; 8.1,7.18 8.42,7.5 ; 8.1,7.18 J173.14 ; 8.1,7.18 8.42,7.5 ; 8.1,7.18 J173.14 ; 8.1,7.18 8.42,7.5 ; 8.1,7.18 J173.14 ; 8.1,7.18 J173.14 ; 8.1,7.18 J173.14 ; 8.1,7.18 8.42,7.5 ; 8.1,7.18 J173.14 ; 8.1,7.18 8.42,7.5 ; 8.1,7.18 8.42,7.5 ; 8.1,7.18 8.42,7.5 ; 8.1,7.18 J173.14 ; 8.1,7.18 J173.14 ; 8.1,7.18 8.42,7.5 ; 8.1,7.18 J173.14 ; 8.1,7.18 8.42,7.5 ; 8.1,7.18 8.42,7.5 ; 8.1,7.18 8.42,7.5 ; 8.1,7.18 8.42,7.5 ; 8.1,7.18 J173.14 ; 8.1,7.18 J173.14 ; 8.1,7.18 J173.14 ; 8.1,7.18 8.42,7.5 ; 8.1,7.18 J173.14 ; 8.1,7.18 8.42,7.5 ; 8.1,7.18 8.42,7.5 ; 8.1,7.18 8.42,7.5 ; 8.1,7.18 8.42,7.5 ; 8.1,7.18 J173.14 ; 8.1,7.18 8.42,7.5 ; 8.1,7.18 J173.14 ; 8.1,7.18 8.42,7.5 ; 8.1,7.18 8.42,7.5 ; 8.1,7.18 8.42,7.5 ; 11.63,7.35 11.56,7.35 ; 11.63,7.35 11.65,7.33 ; 11.63,7.35 11.65,7.33 ; 11.63,7.35 11.65,7.33 ; 11.63,7.35 11.65,7.33 ; 11.63,7.35 11.65,7.33 ; 11.63,7.35 11.56,7.35 ; 11.63,7.35 11.56,7.35 ; 11.63,7.35 11.56,7.35 ; 11.63,7.35 11.56,7.35 ; 11.63,7.35 11.56,7.35 ; 11.63,7.35 11.56,7.35 ; 11.63,7.35 11.65,7.33 ; 11.63,7.35 11.56,7.35 ; 11.63,7.35 11.65,7.33 ; 11.63,7.35 11.65,7.33 ; 11.63,7.35 11.56,7.35 ; 11.63,7.35 11.56,7.35 ; 11.63,7.35 11.65,7.33 ; 11.63,7.35 11.65,7.33 ; 11.63,7.35 11.56,7.35 ; 11.63,7.35 11.65,7.33 ; 11.63,7.35 11.65,7.33 ; 11.63,7.35 11.56,7.35 ; 11.63,7.35 11.56,7.35 ; 11.63,7.35 11.56,7.35 ; 11.63,7.35 11.56,7.35 ; 11.63,7.35 11.56,7.35 ; 11.63,7.35 11.65,7.33 ; 11.63,7.35 11.65,7.33 ; 11.63,7.35 11.65,7.33 ; 11.63,7.35 11.65,7.33 ; 11.63,7.35 11.56,7.35 ; 11.63,7.35 11.65,7.33 ; 11.63,7.35 11.65,7.33 ; 11.63,7.35 11.56,7.35 ; 11.63,7.35 11.65,7.33 ; 11.63,7.35 11.65,7.33 ; 11.63,7.35 11.56,7.35 ; 11.63,7.35 11.65,7.33 ; 11.63,7.35 11.65,7.33 ; 11.63,7.35 11.56,7.35 ; 11.63,7.35 11.65,7.33 ; 11.63,7.35 11.65,7.33 ; 11.63,7.35 11.56,7.35 ; 11.63,7.35 11.56,7.35 ; 11.63,7.35 11.56,7.35 ; 11.63,7.35 11.65,7.33 ; 11.63,7.35 11.65,7.33 ; 11.63,7.35 11.56,7.35 ; 11.63,7.35 11.65,7.33 ; 11.63,7.35 11.65,7.33 ; 11.63,7.35 11.65,7.33 ; 11.63,7.35 11.56,7.35 ; 11.63,7.35 11.65,7.33 ; 11.63,7.35 11.65,7.33 ; 11.63,7.35 11.56,7.35 ; 11.63,7.35 11.56,7.35 ; 11.63,7.35 11.56,7.35 ; 11.63,7.35 11.65,7.33 ; 11.63,7.35 11.56,7.35 ; 11.63,7.35 11.56,7.35 ; 11.63,7.35 11.56,7.35 ; 11.63,7.35 11.56,7.35 ; 11.63,7.35 11.65,7.33 ; 11.63,7.35 11.65,7.33 ; 11.63,7.35 11.56,7.35 ; 11.63,7.35 11.56,7.35 ; 11.63,7.35 11.65,7.33 ; 11.63,7.35 11.65,7.33 ; 11.63,7.35 11.56,7.35 ; 11.63,7.35 11.65,7.33 ; 11.63,7.35 11.56,7.35 ; 11.63,7.35 11.65,7.33 ; 11.63,7.35 11.65,7.33 ; 11.63,7.35 11.65,7.33 ; 11.63,7.35 11.56,7.35 ; 11.63,7.35 11.56,7.35 ; 11.63,7.35 11.56,7.35 ; 11.63,7.35 11.56,7.35 ; 11.63,7.35 11.56,7.35 ; 11.63,7.35 11.65,7.33 ; 11.63,7.35 11.56,7.35 ; 11.63,7.35 11.65,7.33
  vias: v1(11.69,7.29) v1(11.69,7.29) v1(11.69,7.29) v1(11.69,7.29) v1(11.69,7.29) v1(11.69,7.29) v1(11.69,7.29) v1(11.69,7.29) v1(11.69,7.29) v1(11.69,7.29) v1(11.69,7.29) v1(11.69,7.29) v1(11.69,7.29) v1(11.69,7.29) v1(11.69,7.29) v1(11.69,7.29) v1(11.69,7.29) v1(11.69,7.29) v1(11.69,7.29) v1(11.69,7.29) v1(11.69,7.29) v1(11.69,7.29) v1(11.69,7.29) v1(11.69,7.29) v1(11.69,7.29) v1(11.69,7.29) v1(11.69,7.29) v1(11.69,7.29) v1(11.69,7.29) v1(11.69,7.29) v1(11.69,7.29) v1(11.69,7.29) v1(11.69,7.29) v1(11.69,7.29) v1(11.69,7.29) v1(11.69,7.29) v1(11.69,7.29) v1(11.69,7.29) v1(11.69,7.29) v1(11.69,7.29) v1(11.69,7.29) v1(11.69,7.29)
